# KiCad board USB_panel.kicad_pcb (continued)
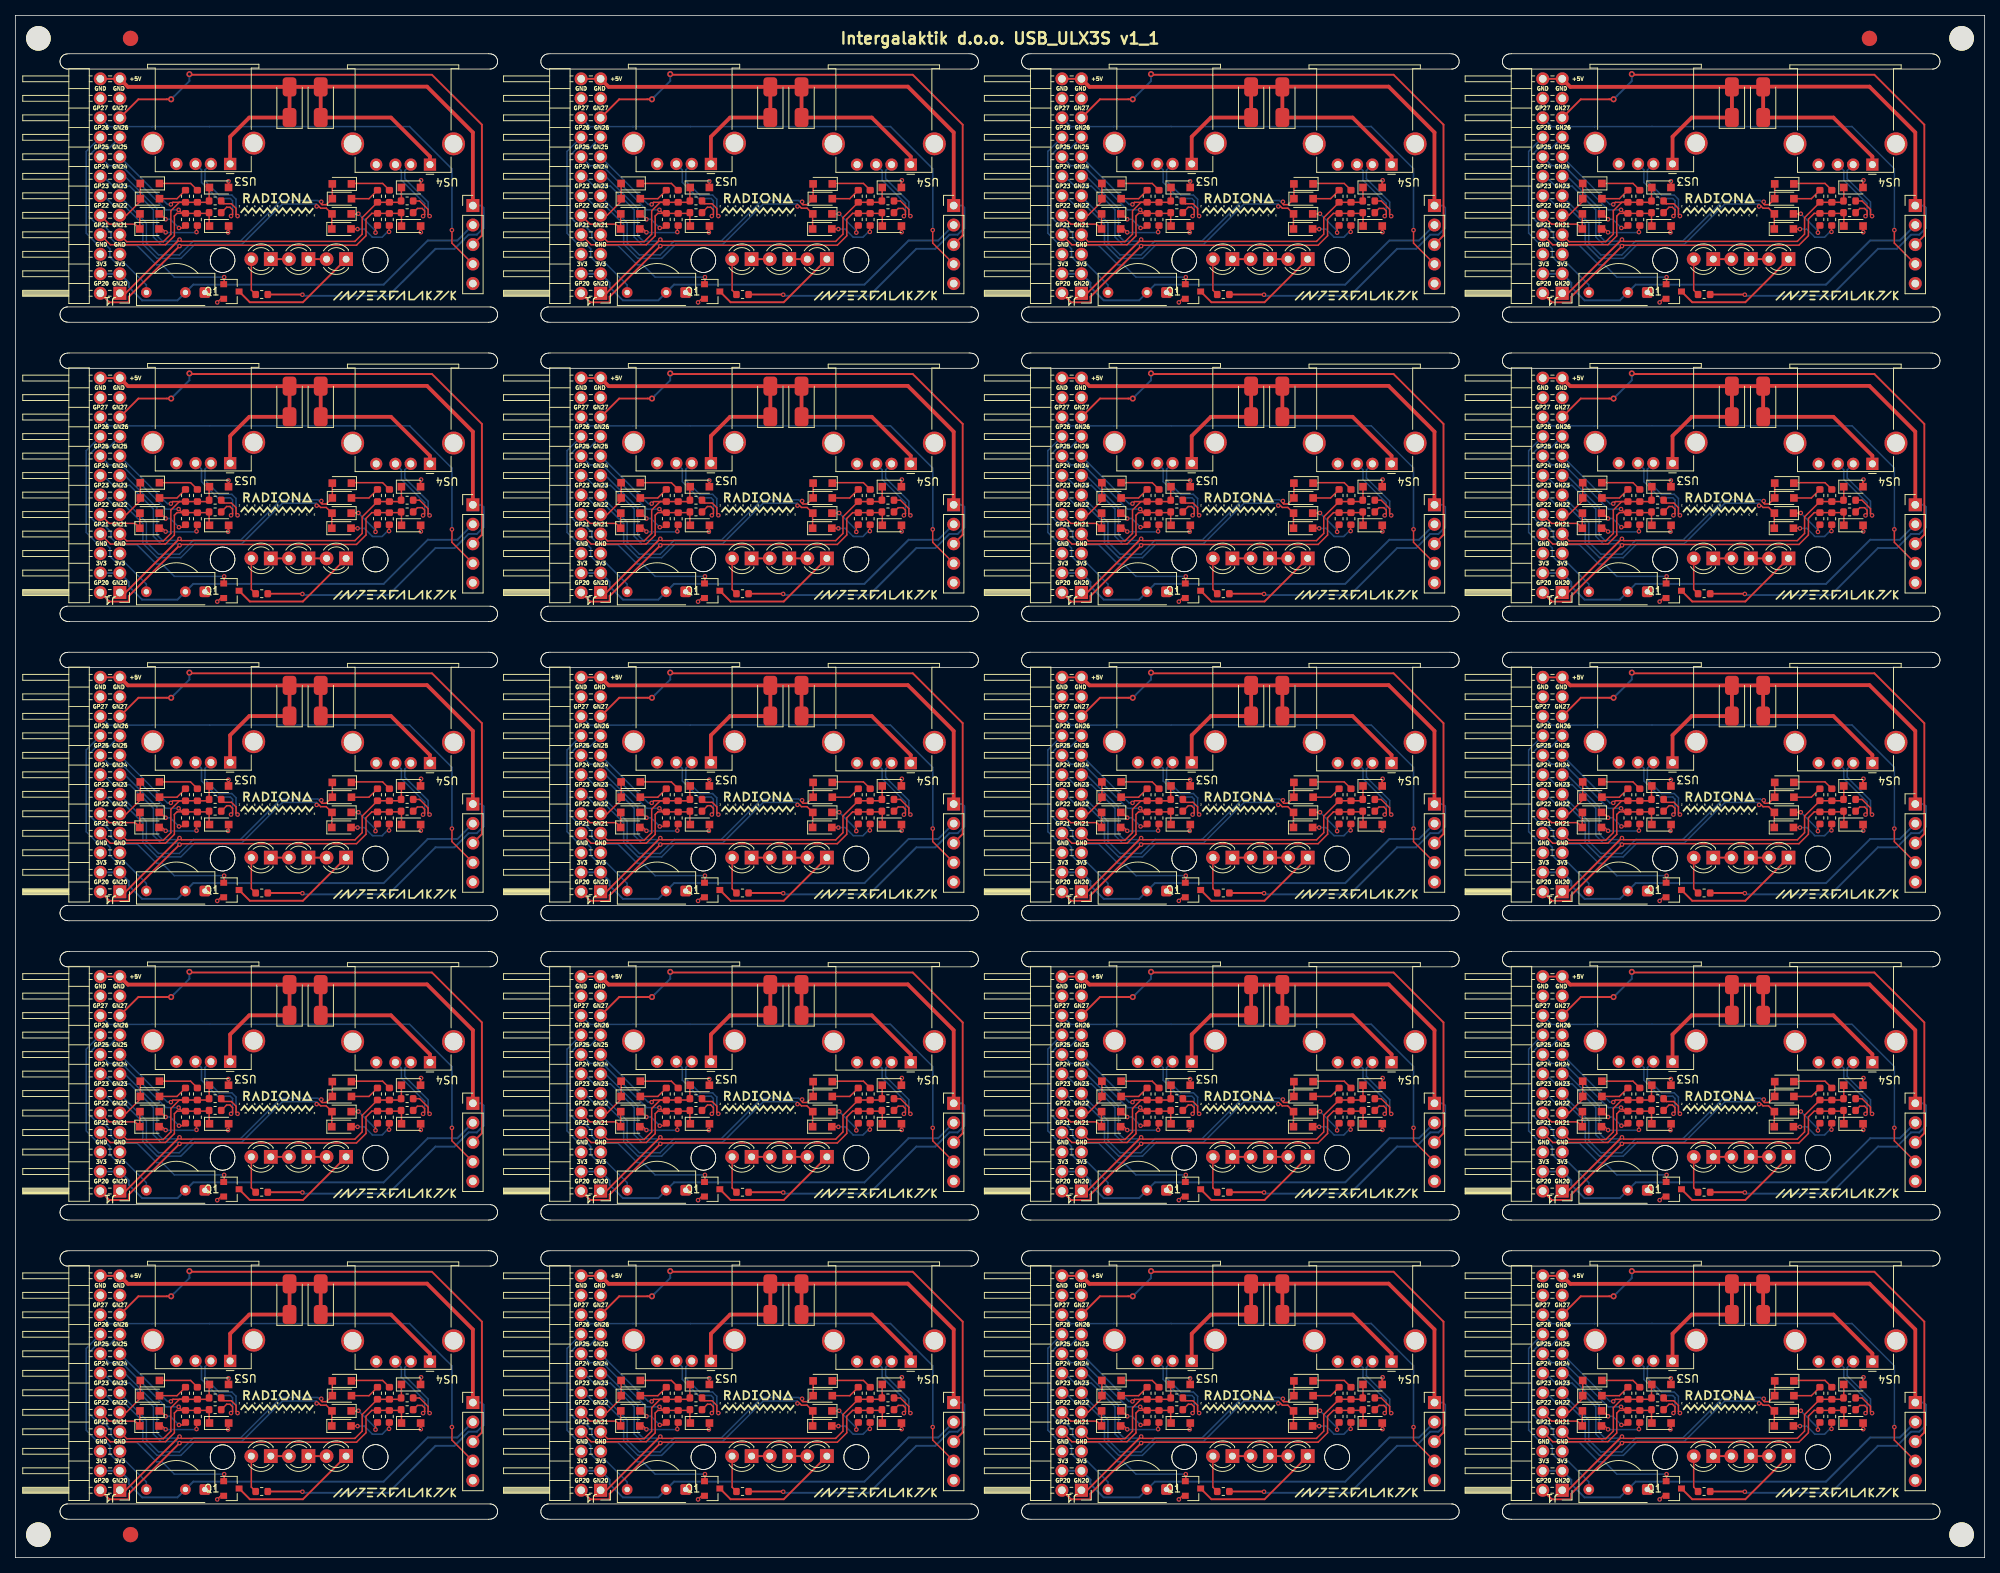
[diagram p0: board, top side]
## Routing (per net, layer and track width the routed paths; a pad name or vN(x,y) marks a point on that pad's centre or on a via; arc(x,y) is an arc through that point) (continued)
Board_15-/FPD1-: length 13.2
  Top w0.2: R5#9.2 215,59.43 215.96,59.43 216.57,58.82 216.57,58.03 v1(216.77,57.83)
  Bottom w0.2: v1(216.77,57.83) 216.57,58.03 216.57,60.01 216.01,60.56 214.35,60.56 212.52,62.4 212.52,63.84 US3#7.2
Board_15-/FPD2+: length 11
  Top w0.2: v1(240.92,57.82) 241.12,58.02 241.12,58.5 240.81,58.82 240.19,58.82 R12#12.2
  Bottom w0.2: US4#2.3 238.09,63.76 238.09,62.5 241.12,59.47 241.12,58.02 v1(240.92,57.82)
Board_15-/FPD2-: length 12.4
  Top w0.2: R11#8.2 240.47,59.8 241.58,58.69 241.58,58.02 v1(241.78,57.82) ; 238.62,64.72 239.07,65.16
  Bottom w0.2: v1(241.78,57.82) 241.58,58.02 241.58,59.66 238.55,62.69 238.55,63.76 US4#2.2
Board_15-GN26: length 35.1
  Top w0.2: Q1#12.1 215.02,49.01 v1(215.02,49.87)
  Bottom w0.2: v1(215.02,49.87) 208.53,49.87 206.92,51.48 206.2,51.48 203.68,54 201.2,54 200.28,54.91 200.28,55.65 199.4,56.54 198.66,56.54 197.46,57.73 197.46,65.74 198.42,66.7 200.04,66.7 J1#19.17
Board_15-GN27: length 68.9
  Top w0.25: 201.43,70.63 203.85,73.04 v2(208.12,73.04) ; v2(210.5,76.32) 210.58,76.23 242.08,76.23 248.58,69.73 248.58,55.29 J2#10.3
  Bottom w0.25: v2(210.5,76.32) 210.5,75.42 v2(208.12,73.04)
Board_15-GND: length 4.8
  Top w0.2: D5#15.2 215.61,55.78 v1(215.53,55.7) ; Q1#12.2 214.59,47.05 v1(214.12,46.58) ; v1(215.58,62.36) 215.59,62.34 D7#13.2
  Top w0.25: D14#18.2 240.59,62.42 v1(240.66,62.49) ; v1(240.63,55.73) 240.61,55.75 D12#2.2
  Bottom w0.5: 231.5,67.88 231.86,67.88
Board_15-GP26: length 25.5
  Bottom w0.2: U1#17.3 204.89,48.86 202.15,51.6 201.06,51.6 200.14,52.51 200.14,53.56 199.56,54.14 198.52,54.14 197.06,55.59 197.06,66.25 J1#19.18
Board_15-GP27: length 62.1
  Top w0.2: v1(244.68,56) 244.68,54.3 J2#10.4
  Bottom w0.2: v1(244.68,56) 244.68,63.98 239.17,69.49 205.65,69.49 205.64,69.48 200.04,69.48 198.89,70.63
Board_15-Net-(D1-K): length 4.3
  Top w0.2: v1(209.13,56.28) 209.66,56.28 R1.1 ; v1(207.4,57.41) 206.7,58.11 D1#8.1
  Bottom w0.2: v1(207.4,57.41) 208,57.41 v1(209.13,56.28)
Board_15-Net-(D2-A): length 6
  Top w0.2: v1(207.4,55.71) 206.96,56.15 D2#18.2 ; R2#3.1 211.42,56.48 v1(211.42,55.74)
  Bottom w0.2: v1(207.4,55.71) 207.43,55.68 211.36,55.68 v1(211.42,55.74)
Board_15-Net-(D3-K): length 5.3
  Top w0.2: R3#12.2 210.65,62.08 D3#12.1
Board_15-Net-(D4-A): length 3.8
  Top w0.2: D4#2.2 208.88,60.09 R4#6.1
Board_15-Net-(D8-K): length 5.4
  Top w0.2: v1(232.5,58.13) 232.48,58.11 D8#15.1 ; v1(234.73,55.67) 234.73,56.35 R7.1
  Bottom w0.2: v1(232.5,58.13) 234.73,55.9 v1(234.73,55.67)
Board_15-Net-(D9-A): length 6.5
  Top w0.2: R8.1 236.49,56.55 v1(236.49,55.77) ; v1(232.39,56.13) 232.37,56.15 D9#17.2
  Bottom w0.2: v1(232.39,56.13) 233.28,56.13 234.34,55.07 235.59,55.07 236.29,55.77 v1(236.49,55.77)
Board_15-Net-(D10-K): length 5.3
  Top w0.2: 231.6,62.08 235.66,62.08 R9#9.2
Board_15-Net-(D11-A): length 3.8
  Top w0.2: D11#15.2 233.88,60.09 R10#12.1
Board_15-Net-(D15-A): length 4.8
  Top w0.2: R13#16.2 218.56,48.17 D15#2.2
Board_15-Net-(D15-K): length 2.4
  Top w0.25: D15#2.1 D16#4.2
Board_15-Net-(D16-K): length 2.4
  Top w0.25: D16#4.1 D17#20.2
Board_15-Net-(D17-K): length 16.8
  Top w0.25: Q1#12.3 218.36,46.6 225.28,46.6 D17#20.1
Board_15-USB1_FPGA_D+: length 33.9
  Top w0.2: D5#15.1 213.06,56.57 R6#13.1 212.97,58.18 R1.2 ; J1#19.8 200.19,54.09 207.38,54.09 208.53,55.24 208.53,57.83 208.88,58.18 R1.2 ; v1(209.09,58.64) 209.55,58.18 R1.2
  Bottom w0.2: J1#19.16 200.04,64.4 201.67,64.4 207.43,58.64 v1(209.09,58.64)
Board_15-USB1_FPGA_D-: length 29
  Top w0.2: v1(208.08,59.35) 208.35,59.62 R4#6.2 ; R4#6.2 211.53,59.62 R3#12.1 212.88,59.62 R5#9.1 213.06,61.52 D7#13.1 ; R4#6.2 209.19,59.62 208.09,58.51 208.09,55.47 207.1,54.49 202.33,54.49 J1#19.7
  Bottom w0.2: J1#19.15 207.63,59.35 v1(208.08,59.35)
Board_15-USB1_FPGA_PULL_D+: length 7.9
  Top w0.2: D1#8.2 204.04,58.09 D2#18.1 203.41,56.78 200.04,56.78 J1#19.10
Board_15-USB1_FPGA_PULL_D-: length 5.8
  Top w0.2: D3#12.2 D4#2.1 204.1,59.74 202.29,57.93 J1#19.9
Board_15-USB2_FPGA_D+: length 64.1
  Top w0.2: D12#2.1 238.11,58.22 R12#12.1 237.97,58.18 R7.2 234.25,58.18 233.49,57.42 233.49,55.26 232.26,54.03 209.33,54.03 v1(209.21,53.91)
  Top w0.25: J1#19.2 200.07,46.59 202.61,46.59 202.61,47.31 v1(209.21,53.91)
  Bottom w0.2: v1(209.21,53.91) 209.01,54.11 206.79,54.11 205.81,55.09 205.81,58.64 202.72,61.73 200.56,61.73 199.73,62.56 199.34,62.56 J1#19.14
Board_15-USB2_FPGA_D-: length 58.3
  Top w0.2: D14#18.1 238.09,59.83 R11#8.1 237.89,59.62 R10#12.2 232.99,57.63 232.99,55.47 232.05,54.53 209.44,54.53 v1(209.21,54.76)
  Top w0.25: J1#19.1 202.18,47.77 209.18,54.76 v1(209.21,54.76)
  Bottom w0.2: J1#19.13 202.08,63.01 206.25,58.83 206.25,55.28 206.97,54.56 209.01,54.56 v1(209.21,54.76)
Board_15-USB2_FPGA_PULL_D+: length 40.7
  Top w0.2: v1(227.07,59.09) 227.35,59.09 227.59,58.85 228.32,58.85 D8#15.2 229.04,58.09 D9#17.1
  Bottom w0.2: 198.89,60.47 199.33,60.47 200.6,59.2 201.98,59.2 204.44,56.74 204.44,54.16 206.29,52.31 209.37,52.31 211.2,54.14 217.34,54.14 222.6,59.4 227.04,59.4 227.07,59.37 v1(227.07,59.09)
Board_15-USB2_FPGA_PULL_D-: length 38.1
  Top w0.2: 229.1,62.08 D11#15.1 228.32,59.3 227.77,59.3 227.67,59.41 v1(227.67,59.69)
  Bottom w0.2: v1(227.67,59.69) 227.39,59.69 227.22,59.85 222.42,59.85 217.16,54.59 211.02,54.59 209.19,52.76 206.47,52.76 204.88,54.35 204.88,56.94 201.43,60.39 201.43,60.47
Board_16-+3V3: length 54.3
  Bottom w0.25: J2#16.2 57.56,15.66 53.7,15.66 47.95,9.91 23.17,9.91 U1#11.2 21.11,7.85 16.5,7.85 14.78,9.58 14.78,10.14 J1#18.3 J1#18.4
Board_16-+5V: length 134.7
  Top w0.2: D13#19.2 39.81,35.63
  Top w0.25: v1(37.38,8.59) 37.35,8.62 R13#3.1 ; J1#18.24 J1#18.23
  Top w0.5: J1#18.23 14.65,35.67 D6#9.2 ; D13#19.2 D13#19.1 48.91,31.67 53.99,26.59 US4#7.1 ; D13#19.2 39.8,35.7 53.61,35.7 59.58,29.73 J2#16.1 ; D13#19.2 D6#9.2 ; US3#6.1 27.97,29.18 30.46,31.67 D6#9.1 D6#9.2
  Bottom w0.25: v1(37.38,8.59) 37.52,8.45 48.59,8.45 54.71,14.57 57.19,14.57 58.4,15.78 58.4,15.79 59.02,16.41 60.09,16.41 60.97,17.28 60.97,19.92 60.68,20.21 J2#16.1
Board_16-/FPD1+: length 12.6
  Top w0.2: v1(28.08,18.84) 28.28,19.04 28.28,19.65 27.94,19.99 27.52,19.99 R6#7.2
  Bottom w0.2: v1(28.08,18.84) 28.28,19.04 28.28,20.84 28,21.12 26.34,21.12 24.24,23.22 24.24,24.85 US3#6.3
Board_16-/FPD1-: length 13.2
  Top w0.2: v1(28.93,18.84) 28.74,19.04 28.74,19.83 28.13,20.44 27.17,20.44 R5#4.2
  Bottom w0.2: US3#6.2 24.69,24.85 24.69,23.41 26.52,21.57 28.18,21.57 28.74,21.02 28.74,19.04 v1(28.93,18.84)
Board_16-/FPD2+: length 11
  Top w0.2: R12#8.2 52.36,19.83 52.98,19.83 53.29,19.52 53.29,19.03 v1(53.09,18.83)
  Bottom w0.2: US4#7.3 50.26,24.77 50.26,23.52 53.29,20.49 53.29,19.03 v1(53.09,18.83)
Board_16-/FPD2-: length 12.4
  Top w0.2: R11#9.2 52.64,20.81 53.75,19.7 53.75,19.03 v1(53.95,18.83) ; 50.79,25.73 51.24,26.18
  Bottom w0.2: v1(53.95,18.83) 53.75,19.03 53.75,20.67 50.72,23.7 50.72,24.77 US4#7.2
Board_16-GN26: length 35.1
  Top w0.2: Q1#19.1 27.19,10.02 v1(27.19,10.88)
  Bottom w0.2: J1#18.17 12.21,27.71 10.59,27.71 9.63,26.75 9.63,18.75 10.83,17.55 11.57,17.55 12.45,16.66 12.45,15.92 13.37,15.01 15.85,15.01 18.37,12.49 19.09,12.49 20.7,10.88 v1(27.19,10.88)
Board_16-GN27: length 68.9
  Top w0.25: J2#16.3 60.75,16.3 60.75,30.74 54.25,37.25 22.75,37.25 v2(22.67,37.33) ; 13.6,31.64 16.02,34.05 v2(20.29,34.05)
  Bottom w0.25: v2(22.67,37.33) 22.67,36.43 v2(20.29,34.05)
Board_16-GND: length 4.8
  Top w0.2: Q1#19.2 26.76,8.06 v1(26.29,7.59) ; D7#16.2 27.76,23.35 v1(27.75,23.37) ; D5#17.2 27.78,16.79 v1(27.7,16.71)
  Top w0.25: v1(52.8,16.74) 52.78,16.76 D12#11.2 ; v1(52.83,23.5) 52.77,23.44 D14#12.2
  Bottom w0.5: 43.67,28.89 44.03,28.89
Board_16-GP26: length 25.5
  Bottom w0.2: J1#18.18 9.23,27.26 9.23,16.61 10.69,15.15 11.73,15.15 12.31,14.57 12.31,13.53 13.23,12.61 14.32,12.61 17.06,9.87 U1#11.3
Board_16-GP27: length 62.1
  Top w0.2: v1(56.85,17.01) 56.85,15.32 J2#16.4
  Bottom w0.2: v1(56.85,17.01) 56.85,24.99 51.34,30.5 17.82,30.5 17.81,30.49 12.21,30.49 11.06,31.64
Board_16-Net-(D1-K): length 4.3
  Top w0.2: v1(21.3,17.29) 21.83,17.29 R1#16.1 ; D1#11.1 18.87,19.12 v1(19.57,18.42)
  Bottom w0.2: v1(21.3,17.29) 20.17,18.42 v1(19.57,18.42)
Board_16-Net-(D2-A): length 6
  Top w0.2: v1(19.57,16.72) 19.13,17.16 D2#11.2 ; R2#6.1 23.59,17.49 v1(23.59,16.75)
  Bottom w0.2: v1(19.57,16.72) 19.6,16.69 23.53,16.69 v1(23.59,16.75)
Board_16-Net-(D3-K): length 5.3
  Top w0.2: R3#6.2 22.82,23.09 D3#2.1
Board_16-Net-(D4-A): length 3.8
  Top w0.2: R4#10.1 21.05,21.1 D4#19.2
Board_16-Net-(D8-K): length 5.4
  Top w0.2: R7#6.1 46.9,17.36 v1(46.9,16.68) ; D8#18.1 44.65,19.12 v1(44.67,19.14)
  Bottom w0.2: v1(44.67,19.14) 46.9,16.91 v1(46.9,16.68)
Board_16-Net-(D9-A): length 6.5
  Top w0.2: R8#18.1 48.66,17.56 v1(48.66,16.78) ; v1(44.56,17.14) 44.54,17.16 D9#6.2
  Bottom w0.2: v1(44.56,17.14) 45.45,17.14 46.51,16.08 47.76,16.08 48.46,16.78 v1(48.66,16.78)
Board_16-Net-(D10-K): length 5.3
  Top w0.2: 43.77,23.09 47.83,23.09 R9#17.2
Board_16-Net-(D11-A): length 3.8
  Top w0.2: D11#12.2 46.05,21.1 R10#14.1
Board_16-Net-(D15-A): length 4.8
  Top w0.2: R13#3.2 30.73,9.19 D15.2
Board_16-Net-(D15-K): length 2.4
  Top w0.25: D15.1 D16#15.2
Board_16-Net-(D16-K): length 2.4
  Top w0.25: D16#15.1 D17#13.2
Board_16-Net-(D17-K): length 16.8
  Top w0.25: D17#13.1 37.45,7.61 30.53,7.61 Q1#19.3
Board_16-USB1_FPGA_D+: length 33.9
  Top w0.2: v1(21.26,19.65) 21.72,19.19 R1#16.2 ; R1#16.2 25.14,19.19 R6#7.1 25.23,17.59 D5#17.1 ; R1#16.2 21.05,19.19 20.71,18.84 20.71,16.25 19.55,15.1 12.36,15.1 J1#18.8
  Bottom w0.2: v1(21.26,19.65) 19.6,19.65 13.84,25.41 12.21,25.41 J1#18.16
Board_16-USB1_FPGA_D-: length 29
  Top w0.2: R4#10.2 23.7,20.63 R3#6.1 25.05,20.63 R5#4.1 25.23,22.53 D7#16.1 ; R4#10.2 20.52,20.63 v1(20.25,20.36) ; R4#10.2 21.36,20.63 20.25,19.53 20.25,16.48 19.27,15.5 14.5,15.5 J1#18.7
  Bottom w0.2: J1#18.15 19.8,20.36 v1(20.25,20.36)
Board_16-USB1_FPGA_PULL_D+: length 7.9
  Top w0.2: D1#11.2 16.21,19.1 D2#11.1 15.58,17.79 12.21,17.79 J1#18.10
Board_16-USB1_FPGA_PULL_D-: length 5.8
  Top w0.2: D3#2.2 D4#19.1 16.27,20.75 14.46,18.94 J1#18.9
Board_16-USB2_FPGA_D+: length 64.1
  Top w0.2: v1(21.38,14.92) 21.5,15.04 44.43,15.04 45.66,16.28 45.66,18.43 46.42,19.19 R7#6.2 50.14,19.19 R12#8.1 50.28,19.23 D12#11.1
  Top w0.25: v1(21.38,14.92) 14.78,8.32 14.78,7.6 12.24,7.6 J1#18.2
  Bottom w0.2: v1(21.38,14.92) 21.18,15.12 18.96,15.12 17.97,16.11 17.97,19.66 14.89,22.74 12.73,22.74 11.9,23.57 11.51,23.57 J1#18.14
Board_16-USB2_FPGA_D-: length 58.3
  Top w0.2: D14#12.1 50.27,20.84 R11#9.1 50.06,20.63 R10#14.2 45.16,18.64 45.16,16.48 44.22,15.54 21.61,15.54 v1(21.38,15.78)
  Top w0.25: v1(21.38,15.78) 21.35,15.78 14.35,8.78 J1#18.1
  Bottom w0.2: v1(21.38,15.78) 21.18,15.58 19.14,15.58 18.43,16.29 18.43,19.84 14.25,24.02 J1#18.13
Board_16-USB2_FPGA_PULL_D+: length 40.7
  Top w0.2: v1(39.24,20.1) 39.52,20.1 39.76,19.86 40.49,19.86 D8#18.2 41.21,19.1 D9#6.1
  Bottom w0.2: v1(39.24,20.1) 39.24,20.38 39.21,20.41 34.77,20.41 29.51,15.16 23.37,15.16 21.54,13.33 18.46,13.33 16.61,15.18 16.61,17.75 14.15,20.21 12.77,20.21 11.5,21.48 11.06,21.48
Board_16-USB2_FPGA_PULL_D-: length 38.1
  Top w0.2: v1(39.84,20.7) 39.84,20.42 39.94,20.32 40.49,20.32 D11#12.1 41.27,23.09
  Bottom w0.2: v1(39.84,20.7) 39.56,20.7 39.39,20.87 34.59,20.87 29.33,15.6 23.19,15.6 21.36,13.78 18.64,13.78 17.06,15.36 17.06,17.95 13.6,21.4 13.6,21.48
Board_17-+3V3: length 54.3
  Bottom w0.25: J2#18.2 120.18,15.66 116.31,15.66 110.56,9.91 85.78,9.91 U1#20.2 83.73,7.85 79.12,7.85 77.39,9.58 77.39,10.14 J1#3.3 J1#3.4
Board_17-+5V: length 134.7
  Top w0.2: D13#7.2 102.42,35.63
  Top w0.25: v1(99.99,8.59) 99.96,8.62 R13#7.1 ; J1#3.24 J1#3.23
  Top w0.5: J1#3.23 77.26,35.67 D6#10.2 ; US4#18.1 116.6,26.59 111.52,31.67 D13#7.1 D13#7.2 ; D6#10.2 D13#7.2 ; D6#10.2 D6#10.1 93.07,31.67 90.58,29.18 US3#17.1 ; D13#7.2 102.41,35.7 116.22,35.7 122.19,29.73 J2#18.1
  Bottom w0.25: J2#18.1 123.29,20.21 123.58,19.92 123.58,17.28 122.7,16.41 121.63,16.41 121.01,15.79 121.01,15.78 119.8,14.57 117.32,14.57 111.2,8.45 100.13,8.45 v1(99.99,8.59)
Board_17-/FPD1+: length 12.6
  Top w0.2: R6#10.2 90.13,19.99 90.55,19.99 90.89,19.65 90.89,19.04 v1(90.7,18.84)
  Bottom w0.2: v1(90.7,18.84) 90.89,19.04 90.89,20.84 90.61,21.12 88.95,21.12 86.85,23.22 86.85,24.85 US3#17.3
Board_17-/FPD1-: length 13.2
  Top w0.2: R5#11.2 89.78,20.44 90.74,20.44 91.35,19.83 91.35,19.04 v1(91.55,18.84)
  Bottom w0.2: US3#17.2 87.3,24.85 87.3,23.41 89.13,21.57 90.79,21.57 91.35,21.02 91.35,19.04 v1(91.55,18.84)
Board_17-/FPD2+: length 11
  Top w0.2: R12.2 114.97,19.83 115.59,19.83 115.9,19.52 115.9,19.03 v1(115.71,18.83)
  Bottom w0.2: US4#18.3 112.87,24.77 112.87,23.52 115.9,20.49 115.9,19.03 v1(115.71,18.83)
Board_17-/FPD2-: length 12.4
  Top w0.2: 113.4,25.73 113.85,26.18 ; v1(116.56,18.83) 116.36,19.03 116.36,19.7 115.25,20.81 R11#20.2
  Bottom w0.2: US4#18.2 113.33,24.77 113.33,23.7 116.36,20.67 116.36,19.03 v1(116.56,18.83)
Board_17-GN26: length 35.1
  Top w0.2: v1(89.8,10.88) 89.8,10.02 Q1#20.1
  Bottom w0.2: J1#3.17 74.82,27.71 73.2,27.71 72.24,26.75 72.24,18.75 73.44,17.55 74.18,17.55 75.06,16.66 75.06,15.92 75.98,15.01 78.46,15.01 80.98,12.49 81.7,12.49 83.31,10.88 v1(89.8,10.88)
Board_17-GN27: length 68.9
  Top w0.25: 76.21,31.64 78.63,34.05 v2(82.9,34.05) ; v2(85.28,37.33) 85.36,37.25 116.86,37.25 123.36,30.74 123.36,16.3 J2#18.3
  Bottom w0.25: v2(82.9,34.05) 85.28,36.43 v2(85.28,37.33)
Board_17-GND: length 4.8
  Top w0.2: D5#12.2 90.39,16.79 v1(90.31,16.71) ; Q1#20.2 89.37,8.06 v1(88.9,7.59) ; D7#5.2 90.38,23.35 v1(90.36,23.37)
  Top w0.25: D14#13.2 115.38,23.44 v1(115.44,23.5) ; D12#18.2 115.39,16.76 v1(115.41,16.74)
  Bottom w0.5: 106.28,28.89 106.64,28.89
Board_17-GP26: length 25.5
  Bottom w0.2: J1#3.18 71.84,27.26 71.84,16.61 73.3,15.15 74.34,15.15 74.92,14.57 74.92,13.53 75.84,12.61 76.93,12.61 79.67,9.87 U1#20.3
Board_17-GP27: length 62.1
  Top w0.2: v1(119.46,17.01) 119.46,15.32 J2#18.4
  Bottom w0.2: 73.67,31.64 74.82,30.49 80.42,30.49 80.43,30.5 113.95,30.5 119.46,24.99 v1(119.46,17.01)
Board_17-Net-(D1-K): length 4.3
  Top w0.2: R1#17.1 84.44,17.29 v1(83.91,17.29) ; D1#18.1 81.48,19.12 v1(82.18,18.42)
  Bottom w0.2: v1(82.18,18.42) 82.78,18.42 v1(83.91,17.29)
Board_17-Net-(D2-A): length 6
  Top w0.2: R2#9.1 86.2,17.49 v1(86.2,16.75) ; D2#8.2 81.74,17.16 v1(82.18,16.72)
  Bottom w0.2: v1(82.18,16.72) 82.21,16.69 86.14,16.69 v1(86.2,16.75)
Board_17-Net-(D3-K): length 5.3
  Top w0.2: R3#10.2 85.43,23.09 D3#20.1
Board_17-Net-(D4-A): length 3.8
  Top w0.2: R4#12.1 83.66,21.1 D4.2
Board_17-Net-(D8-K): length 5.4
  Top w0.2: v1(109.51,16.68) 109.51,17.36 R7#13.1 ; v1(107.28,19.14) 107.26,19.12 D8#9.1
  Bottom w0.2: v1(107.28,19.14) 109.51,16.91 v1(109.51,16.68)
Board_17-Net-(D9-A): length 6.5
  Top w0.2: D9#7.2 107.15,17.16 v1(107.17,17.14) ; v1(111.27,16.78) 111.27,17.56 R8#10.1
  Bottom w0.2: v1(107.17,17.14) 108.06,17.14 109.12,16.08 110.37,16.08 111.07,16.78 v1(111.27,16.78)
Board_17-Net-(D10-K): length 5.3
  Top w0.2: 106.38,23.09 110.44,23.09 R9#3.2
Board_17-Net-(D11-A): length 3.8
  Top w0.2: D11#8.2 108.66,21.1 R10#11.1
Board_17-Net-(D15-A): length 4.8
  Top w0.2: R13#7.2 93.34,9.19 D15#15.2
Board_17-Net-(D15-K): length 2.4
  Top w0.25: D15#15.1 D16#20.2
Board_17-Net-(D16-K): length 2.4
  Top w0.25: D16#20.1 D17#4.2
Board_17-Net-(D17-K): length 16.8
  Top w0.25: D17#4.1 100.06,7.61 93.14,7.61 Q1#20.3
Board_17-USB1_FPGA_D+: length 33.9
  Top w0.2: R1#17.2 84.33,19.19 v1(83.87,19.65) ; R1#17.2 83.66,19.19 83.31,18.84 83.31,16.25 82.16,15.1 74.97,15.1 J1#3.8 ; R1#17.2 87.75,19.19 R6#10.1 87.84,17.59 D5#12.1
  Bottom w0.2: J1#3.16 74.82,25.41 76.45,25.41 82.21,19.65 v1(83.87,19.65)
Board_17-USB1_FPGA_D-: length 29
  Top w0.2: v1(82.86,20.36) 83.13,20.63 R4#12.2 ; R4#12.2 83.97,20.63 82.87,19.53 82.87,16.48 81.88,15.5 77.11,15.5 J1#3.7 ; R4#12.2 86.31,20.63 R3#10.1 87.66,20.63 R5#11.1 87.84,22.53 D7#5.1
  Bottom w0.2: v1(82.86,20.36) 82.41,20.36 J1#3.15
Board_17-USB1_FPGA_PULL_D+: length 7.9
  Top w0.2: J1#3.10 74.82,17.79 78.19,17.79 D2#8.1 78.82,19.1 D1#18.2
Board_17-USB1_FPGA_PULL_D-: length 5.8
  Top w0.2: D3#20.2 D4.1 78.88,20.75 77.07,18.94 J1#3.9
Board_17-USB2_FPGA_D+: length 64.1
  Top w0.2: D12#18.1 112.89,19.23 R12.1 112.75,19.19 R7#13.2 109.03,19.19 108.27,18.43 108.27,16.28 107.04,15.04 84.11,15.04 v1(83.99,14.92)
  Top w0.25: J1#3.2 74.85,7.6 77.39,7.6 77.39,8.32 v1(83.99,14.92)
  Bottom w0.2: v1(83.99,14.92) 83.79,15.12 81.57,15.12 80.59,16.11 80.59,19.66 77.5,22.74 75.34,22.74 74.51,23.57 74.12,23.57 J1#3.14
Board_17-USB2_FPGA_D-: length 58.3
  Top w0.2: D14#13.1 112.88,20.84 R11#20.1 112.66,20.63 R10#11.2 107.77,18.64 107.77,16.48 106.83,15.54 84.22,15.54 v1(83.99,15.78)
  Top w0.25: J1#3.1 76.96,8.78 83.96,15.78 v1(83.99,15.78)
  Bottom w0.2: v1(83.99,15.78) 83.79,15.58 81.75,15.58 81.04,16.29 81.04,19.84 76.86,24.02 J1#3.13
Board_17-USB2_FPGA_PULL_D+: length 40.7
  Top w0.2: v1(101.85,20.1) 102.13,20.1 102.37,19.86 103.1,19.86 D8#9.2 103.82,19.1 D9#7.1
  Bottom w0.2: v1(101.85,20.1) 101.85,20.38 101.82,20.41 97.38,20.41 92.12,15.16 85.98,15.16 84.15,13.33 81.07,13.33 79.22,15.18 79.22,17.75 76.76,20.21 75.38,20.21 74.11,21.48 73.67,21.48
Board_17-USB2_FPGA_PULL_D-: length 38.1
  Top w0.2: v1(102.45,20.7) 102.45,20.42 102.55,20.32 103.1,20.32 D11#8.1 103.88,23.09
  Bottom w0.2: v1(102.45,20.7) 102.17,20.7 102,20.87 97.2,20.87 91.94,15.6 85.8,15.6 83.97,13.78 81.25,13.78 79.67,15.36 79.67,17.95 76.21,21.4 76.21,21.48
Board_18-+3V3: length 54.3
  Bottom w0.25: J1#7.4 J1#7.3 140,10.14 140,9.58 141.72,7.85 146.34,7.85 U1#10.2 148.38,9.91 173.18,9.91 178.93,15.66 182.78,15.66 J2#7.2
Board_18-+5V: length 134.7
  Top w0.2: D13#9.2 165.03,35.63
  Top w0.25: J1#7.24 J1#7.23 ; R13#14.1 162.57,8.62 v1(162.6,8.59)
  Top w0.5: D6#6.2 139.87,35.67 J1#7.23 ; D6#6.2 D13#9.2 ; D6#6.2 D6#6.1 155.68,31.67 153.19,29.18 US3#11.1 ; US4#15.1 179.21,26.59 174.13,31.67 D13#9.1 D13#9.2 ; J2#7.1 184.8,29.73 178.83,35.7 165.02,35.7 D13#9.2
  Bottom w0.25: J2#7.1 185.9,20.21 186.19,19.92 186.19,17.28 185.31,16.41 184.24,16.41 183.62,15.79 183.62,15.78 182.41,14.57 179.93,14.57 173.81,8.45 162.74,8.45 v1(162.6,8.59)
Board_18-/FPD1+: length 12.6
  Top w0.2: R6#5.2 152.74,19.99 153.16,19.99 153.5,19.65 153.5,19.04 v1(153.31,18.84)
  Bottom w0.2: v1(153.31,18.84) 153.5,19.04 153.5,20.84 153.22,21.12 151.56,21.12 149.46,23.22 149.46,24.85 US3#11.3
Board_18-/FPD1-: length 13.2
  Top w0.2: v1(154.16,18.84) 153.96,19.04 153.96,19.83 153.35,20.44 152.39,20.44 R5#5.2
  Bottom w0.2: v1(154.16,18.84) 153.96,19.04 153.96,21.02 153.4,21.57 151.74,21.57 149.91,23.41 149.91,24.85 US3#11.2
Board_18-/FPD2+: length 11
  Top w0.2: R12#4.2 177.58,19.83 178.2,19.83 178.51,19.52 178.51,19.03 v1(178.31,18.83)
  Bottom w0.2: v1(178.31,18.83) 178.51,19.03 178.51,20.49 175.48,23.52 175.48,24.77 US4#15.3
Board_18-/FPD2-: length 12.4
  Top w0.2: 176.01,25.73 176.46,26.18 ; R11.2 177.86,20.81 178.97,19.7 178.97,19.03 v1(179.16,18.83)
  Bottom w0.2: US4#15.2 175.94,24.77 175.94,23.7 178.97,20.67 178.97,19.03 v1(179.16,18.83)
Board_18-GN26: length 35.1
  Top w0.2: v1(152.41,10.88) 152.41,10.02 Q1#3.1
  Bottom w0.2: v1(152.41,10.88) 145.92,10.88 144.31,12.49 143.59,12.49 141.07,15.01 138.59,15.01 137.67,15.92 137.67,16.66 136.79,17.55 136.05,17.55 134.85,18.75 134.85,26.75 135.81,27.71 137.43,27.71 J1#7.17
Board_18-GN27: length 68.9
  Top w0.25: v2(147.89,37.33) 147.97,37.25 179.47,37.25 185.97,30.74 185.97,16.3 J2#7.3 ; v2(145.51,34.05) 141.24,34.05 138.82,31.64
  Bottom w0.25: v2(147.89,37.33) 147.89,36.43 v2(145.51,34.05)
Board_18-GND: length 4.8
  Top w0.2: v1(151.51,7.59) 151.98,8.06 Q1#3.2 ; D7#18.2 152.99,23.35 v1(152.97,23.37) ; v1(152.92,16.71) 153,16.79 D5#16.2
  Top w0.25: D14#17.2 177.99,23.44 v1(178.05,23.5) ; D12#16.2 178,16.76 v1(178.02,16.74)
  Bottom w0.5: 168.89,28.89 169.25,28.89
Board_18-GP26: length 25.5
  Bottom w0.2: J1#7.18 134.45,27.26 134.45,16.61 135.91,15.15 136.95,15.15 137.53,14.57 137.53,13.53 138.45,12.61 139.54,12.61 142.28,9.87 U1#10.3
Board_18-GP27: length 62.1
  Top w0.2: v1(182.07,17.01) 182.07,15.32 J2#7.4
  Bottom w0.2: 136.28,31.64 137.43,30.49 143.03,30.49 143.04,30.5 176.56,30.5 182.07,24.99 v1(182.07,17.01)
Board_18-Net-(D1-K): length 4.3
  Top w0.2: v1(146.52,17.29) 147.05,17.29 R1#11.1 ; D1#9.1 144.09,19.12 v1(144.79,18.42)
  Bottom w0.2: v1(146.52,17.29) 145.39,18.42 v1(144.79,18.42)
Board_18-Net-(D2-A): length 6
  Top w0.2: D2#5.2 144.35,17.16 v1(144.79,16.72) ; v1(148.81,16.75) 148.81,17.49 R2#2.1
  Bottom w0.2: v1(144.79,16.72) 144.82,16.69 148.75,16.69 v1(148.81,16.75)
Board_18-Net-(D3-K): length 5.3
  Top w0.2: R3#16.2 148.04,23.09 D3#10.1
Board_18-Net-(D4-A): length 3.8
  Top w0.2: R4#8.1 146.27,21.1 D4#8.2
Board_18-Net-(D8-K): length 5.4
  Top w0.2: v1(172.12,16.68) 172.12,17.36 R7#19.1 ; D8#11.1 169.87,19.12 v1(169.89,19.14)
  Bottom w0.2: v1(172.12,16.68) 172.12,16.91 v1(169.89,19.14)
Board_18-Net-(D9-A): length 6.5
  Top w0.2: v1(169.78,17.14) 169.76,17.16 D9#12.2 ; v1(173.88,16.78) 173.88,17.56 R8#15.1
  Bottom w0.2: v1(169.78,17.14) 170.67,17.14 171.73,16.08 172.98,16.08 173.68,16.78 v1(173.88,16.78)
Board_18-Net-(D10-K): length 5.3
  Top w0.2: 168.99,23.09 173.05,23.09 R9#5.2
Board_18-Net-(D11-A): length 3.8
  Top w0.2: D11#10.2 171.27,21.1 R10#13.1
Board_18-Net-(D15-A): length 4.8
  Top w0.2: R13#14.2 155.95,9.19 D15#7.2
Board_18-Net-(D15-K): length 2.4
  Top w0.25: D15#7.1 D16#10.2
Board_18-Net-(D16-K): length 2.4
  Top w0.25: D16#10.1 D17#3.2
Board_18-Net-(D17-K): length 16.8
  Top w0.25: Q1#3.3 155.75,7.61 162.67,7.61 D17#3.1
Board_18-USB1_FPGA_D+: length 33.9
  Top w0.2: v1(146.48,19.65) 146.94,19.19 R1#11.2 ; R1#11.2 150.36,19.19 R6#5.1 150.45,17.59 D5#16.1 ; R1#11.2 146.27,19.19 145.93,18.84 145.93,16.25 144.77,15.1 137.58,15.1 J1#7.8
  Bottom w0.2: J1#7.16 137.43,25.41 139.06,25.41 144.82,19.65 v1(146.48,19.65)
Board_18-USB1_FPGA_D-: length 29
  Top w0.2: v1(145.47,20.36) 145.74,20.63 R4#8.2 ; D7#18.1 150.45,22.53 R5#5.1 150.27,20.63 R3#16.1 148.92,20.63 R4#8.2 ; R4#8.2 146.58,20.63 145.47,19.53 145.47,16.48 144.49,15.5 139.72,15.5 J1#7.7
  Bottom w0.2: J1#7.15 145.02,20.36 v1(145.47,20.36)
Board_18-USB1_FPGA_PULL_D+: length 7.9
  Top w0.2: J1#7.10 137.43,17.79 140.8,17.79 D2#5.1 141.43,19.1 D1#9.2
Board_18-USB1_FPGA_PULL_D-: length 5.8
  Top w0.2: D3#10.2 D4#8.1 141.49,20.75 139.68,18.94 J1#7.9
Board_18-USB2_FPGA_D+: length 64.1
  Top w0.2: v1(146.6,14.92) 146.72,15.04 169.65,15.04 170.88,16.28 170.88,18.43 171.64,19.19 R7#19.2 175.36,19.19 R12#4.1 175.5,19.23 D12#16.1
  Top w0.25: J1#7.2 137.46,7.6 140,7.6 140,8.32 v1(146.6,14.92)
  Bottom w0.2: J1#7.14 136.73,23.57 137.12,23.57 137.95,22.74 140.11,22.74 143.19,19.66 143.19,16.11 144.18,15.12 146.4,15.12 v1(146.6,14.92)
Board_18-USB2_FPGA_D-: length 58.3
  Top w0.2: D14#17.1 175.49,20.84 R11.1 175.28,20.63 R10#13.2 170.38,18.64 170.38,16.48 169.44,15.54 146.83,15.54 v1(146.6,15.78)
  Top w0.25: J1#7.1 139.57,8.78 146.57,15.78 v1(146.6,15.78)
  Bottom w0.2: v1(146.6,15.78) 146.4,15.58 144.36,15.58 143.65,16.29 143.65,19.84 139.47,24.02 J1#7.13
Board_18-USB2_FPGA_PULL_D+: length 40.7
  Top w0.2: v1(164.46,20.1) 164.74,20.1 164.98,19.86 165.71,19.86 D8#11.2 166.43,19.1 D9#12.1
  Bottom w0.2: v1(164.46,20.1) 164.46,20.38 164.43,20.41 159.99,20.41 154.73,15.16 148.59,15.16 146.76,13.33 143.68,13.33 141.83,15.18 141.83,17.75 139.37,20.21 137.99,20.21 136.72,21.48 136.28,21.48
Board_18-USB2_FPGA_PULL_D-: length 38.1
  Top w0.2: 166.49,23.09 D11#10.1 165.71,20.32 165.16,20.32 165.06,20.42 v1(165.06,20.7)
  Bottom w0.2: 138.82,21.48 138.82,21.4 142.28,17.95 142.28,15.36 143.86,13.78 146.58,13.78 148.41,15.6 154.55,15.6 159.81,20.87 164.61,20.87 164.78,20.7 v1(165.06,20.7)
Board_19-+3V3: length 54.3
  Bottom w0.25: J2#4.2 245.4,15.66 241.53,15.66 235.78,9.91 211,9.91 U1#16.2 208.94,7.85 204.34,7.85 202.61,9.58 202.61,10.14 J1#16.3 J1#16.4
Board_19-+5V: length 134.7
  Top w0.2: D13#11.2 227.64,35.63
  Top w0.25: J1#16.24 J1#16.23 ; R13.1 225.18,8.62 v1(225.21,8.59)
  Top w0.5: D6#8.2 202.48,35.67 J1#16.23 ; D6#8.2 D6#8.1 218.29,31.67 215.8,29.18 US3.1 ; D6#8.2 D13#11.2 ; D13#11.2 D13#11.1 236.74,31.67 241.82,26.59 US4#17.1 ; D13#11.2 227.63,35.7 241.44,35.7 247.41,29.73 J2#4.1
  Bottom w0.25: v1(225.21,8.59) 225.35,8.45 236.42,8.45 242.54,14.57 245.02,14.57 246.23,15.78 246.23,15.79 246.85,16.41 247.92,16.41 248.8,17.28 248.8,19.92 248.51,20.21 J2#4.1
Board_19-/FPD1+: length 12.6
  Top w0.2: R6#9.2 215.35,19.99 215.77,19.99 216.11,19.65 216.11,19.04 v1(215.91,18.84)
  Bottom w0.2: v1(215.91,18.84) 216.11,19.04 216.11,20.84 215.83,21.12 214.17,21.12 212.07,23.22 212.07,24.85 US3.3
Board_19-/FPD1-: length 13.2
  Top w0.2: v1(216.77,18.84) 216.57,19.04 216.57,19.83 215.96,20.44 215,20.44 R5#17.2
  Bottom w0.2: US3.2 212.52,24.85 212.52,23.41 214.35,21.57 216.01,21.57 216.57,21.02 216.57,19.04 v1(216.77,18.84)
Board_19-/FPD2+: length 11
  Top w0.2: v1(240.92,18.83) 241.12,19.03 241.12,19.52 240.81,19.83 240.19,19.83 R12#7.2
  Bottom w0.2: v1(240.92,18.83) 241.12,19.03 241.12,20.49 238.09,23.52 238.09,24.77 US4#17.3
